# Altium PCB RELIA - Copy.PcbDoc (part 1 of 2)
Units mm, origin at the board's own origin, x right, y up, seen from the top; angles counter-clockwise.
Board outline 69.75 x 62.48 mm, 4 copper layers (Top Layer, GND, POWER, Bottom Layer), stack 0.603 mm thick; 143 components, 99 nets, 540 pads, 234 vias.
Unrouted connection lines stored in the file: 89.
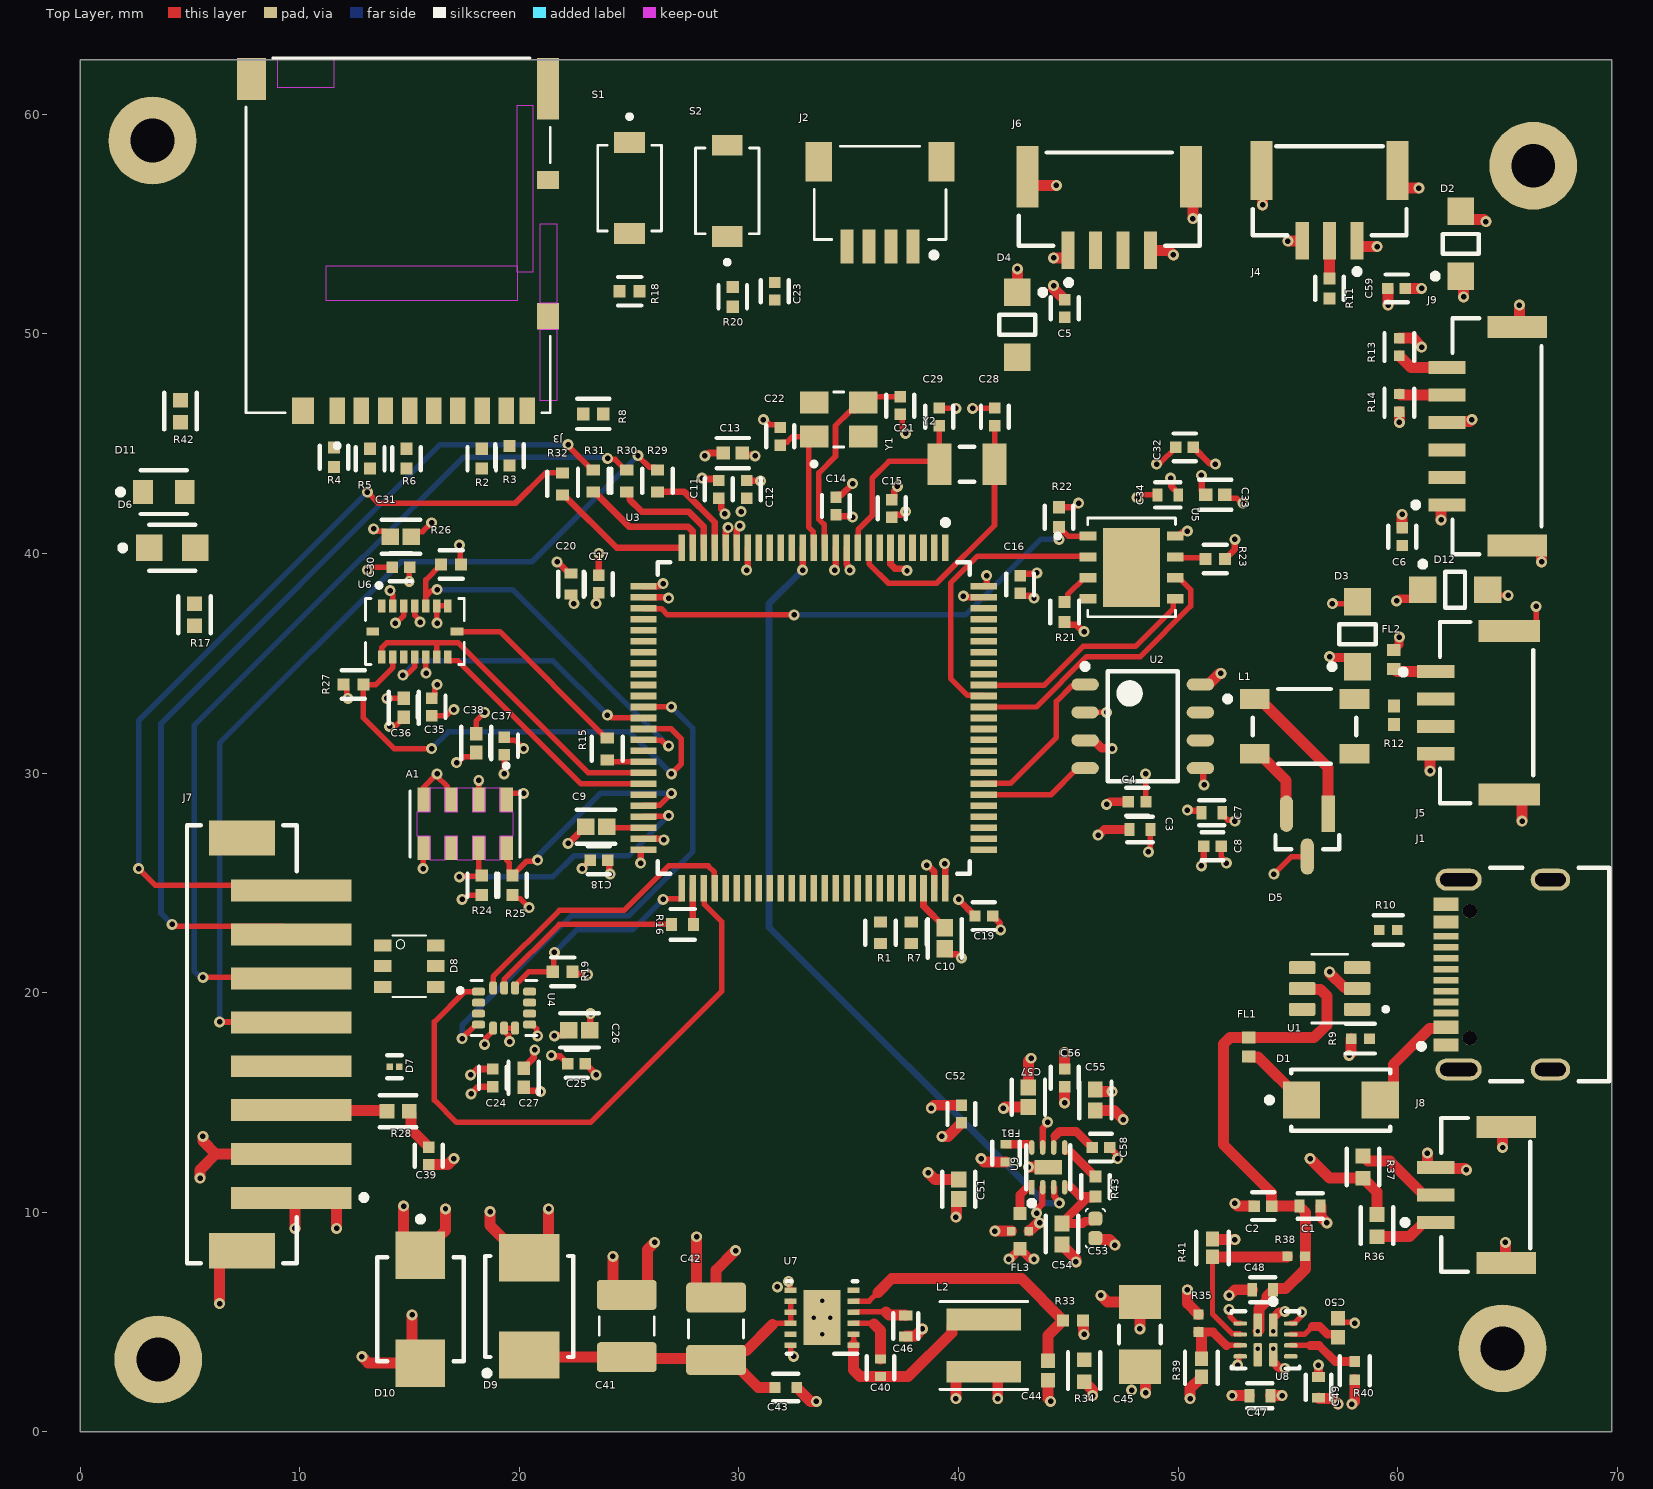
[diagram p0: Top Layer view]
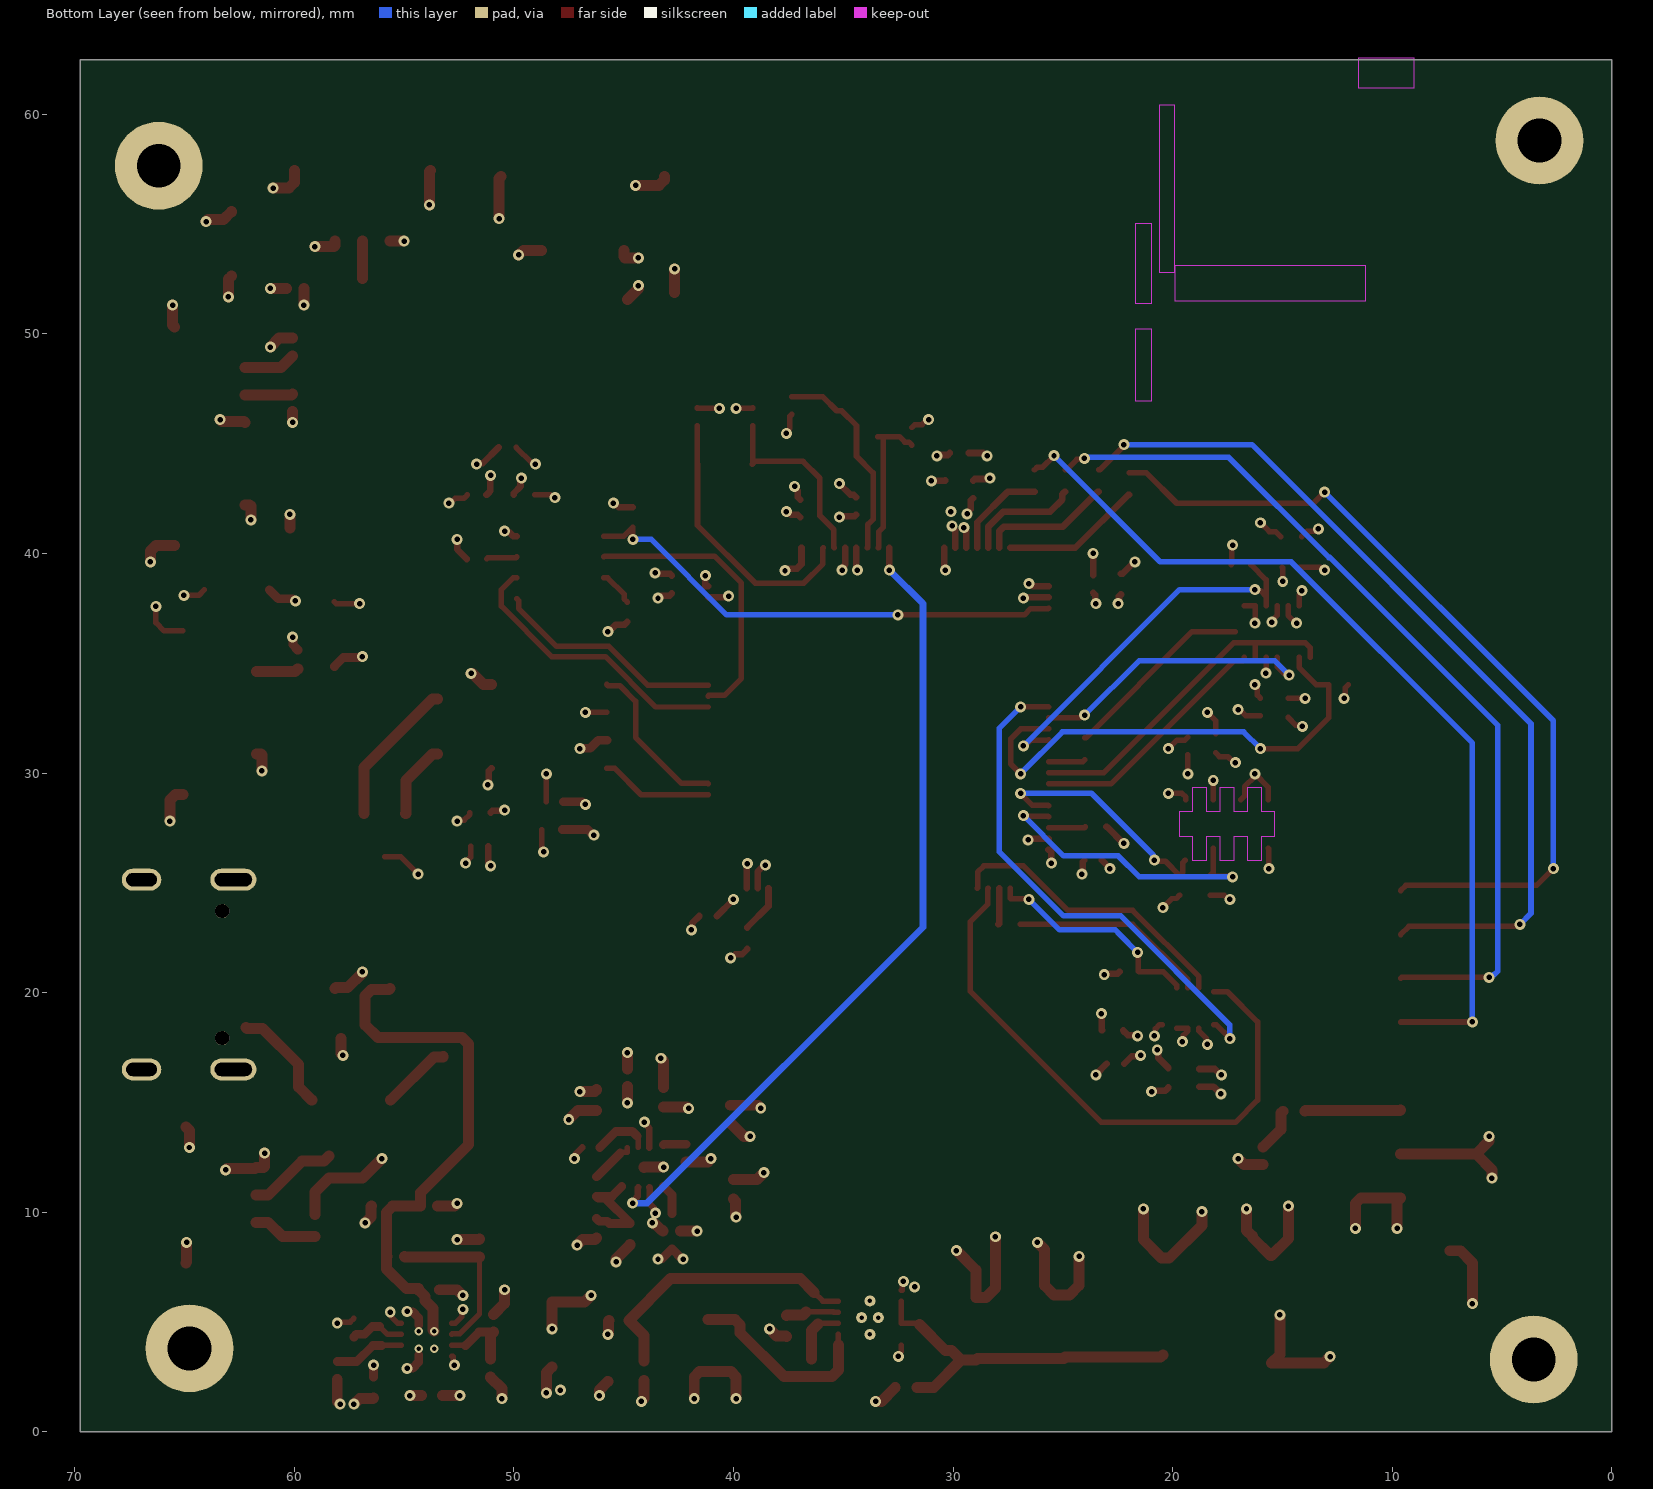
[diagram p1: Bottom Layer view, seen from below]
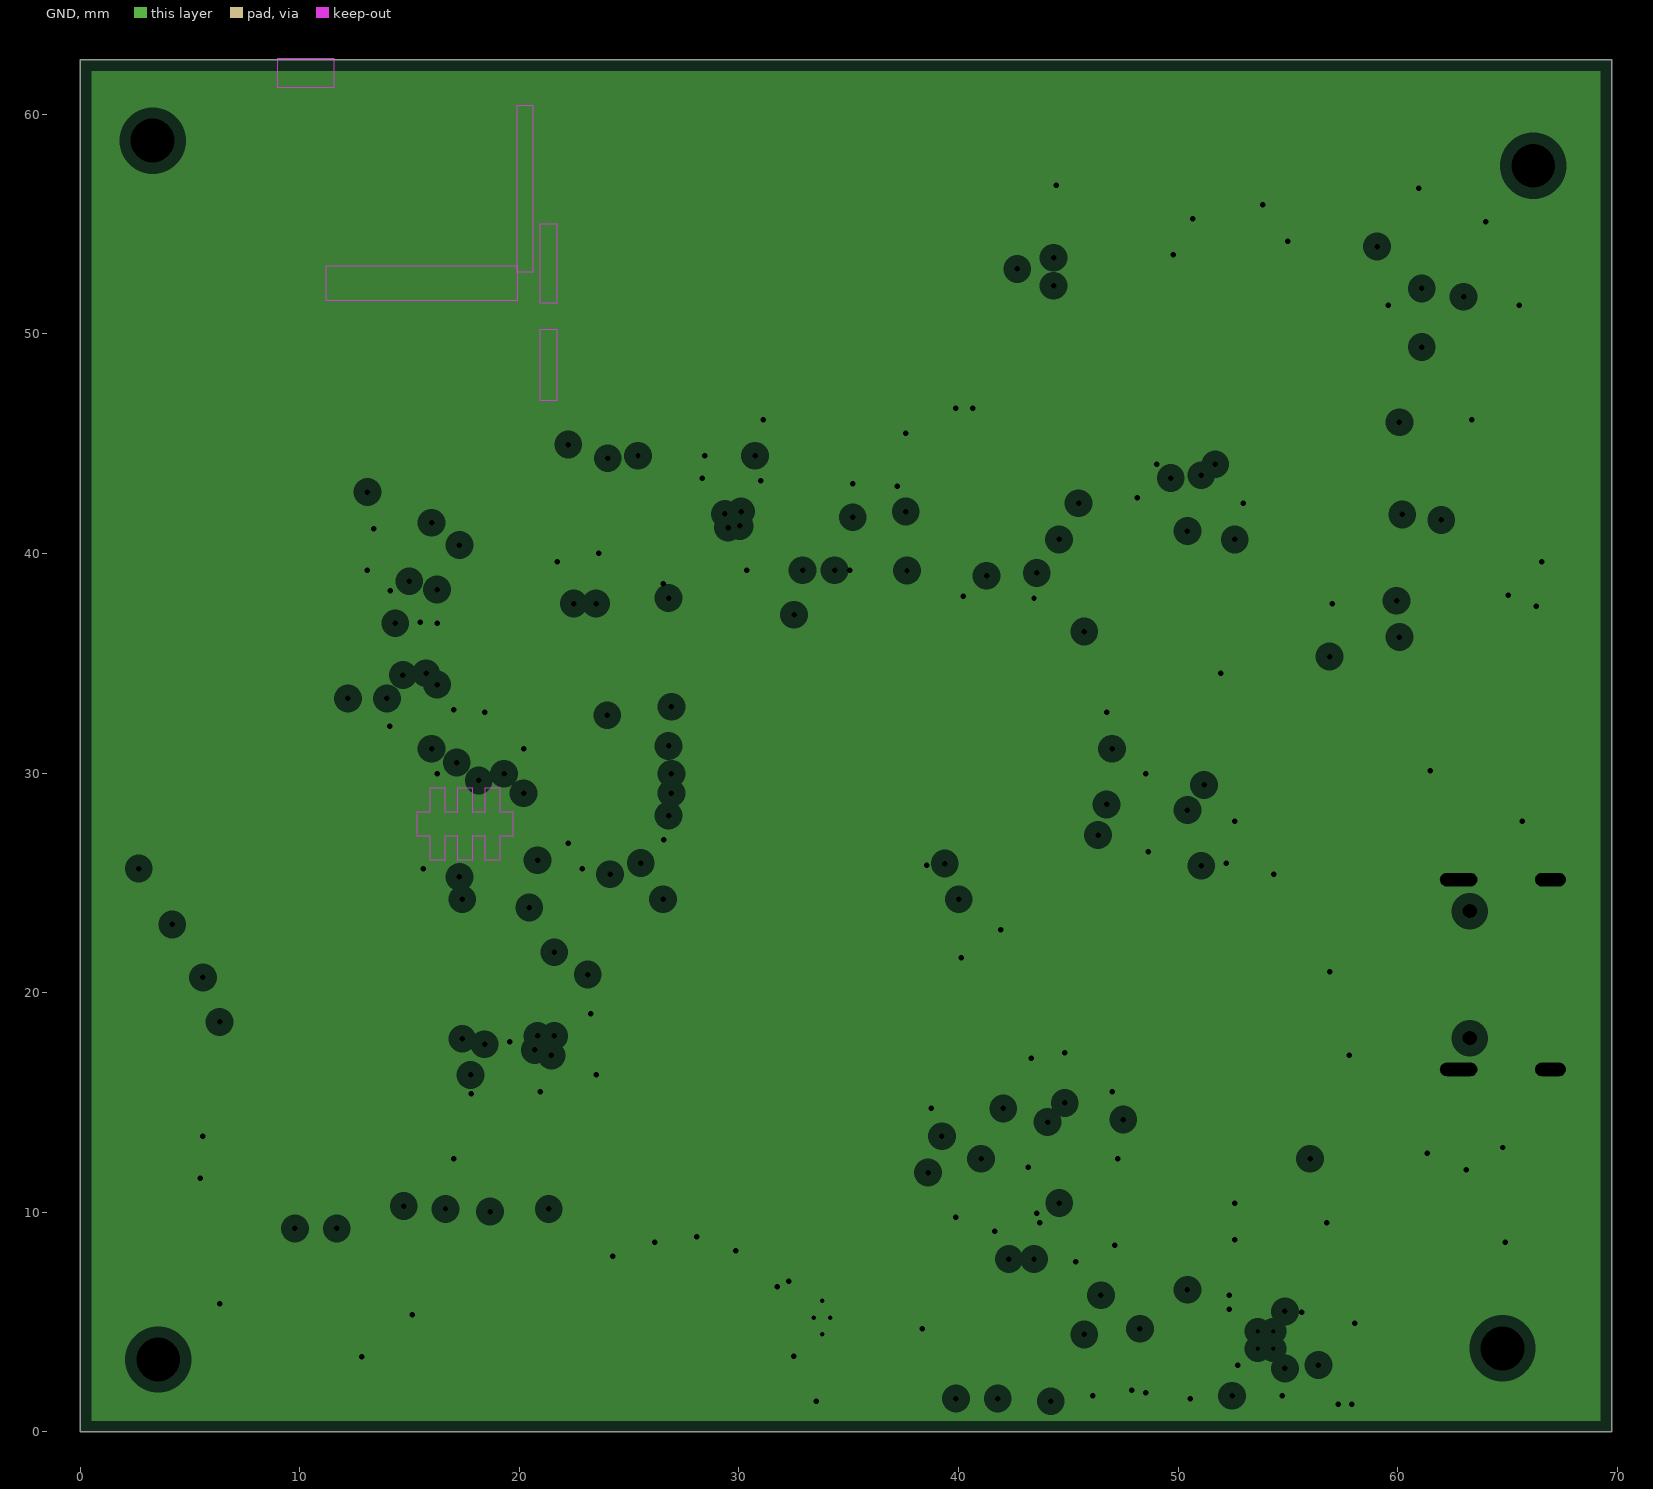
[diagram p2: GND, clearances drawn from the general rule]
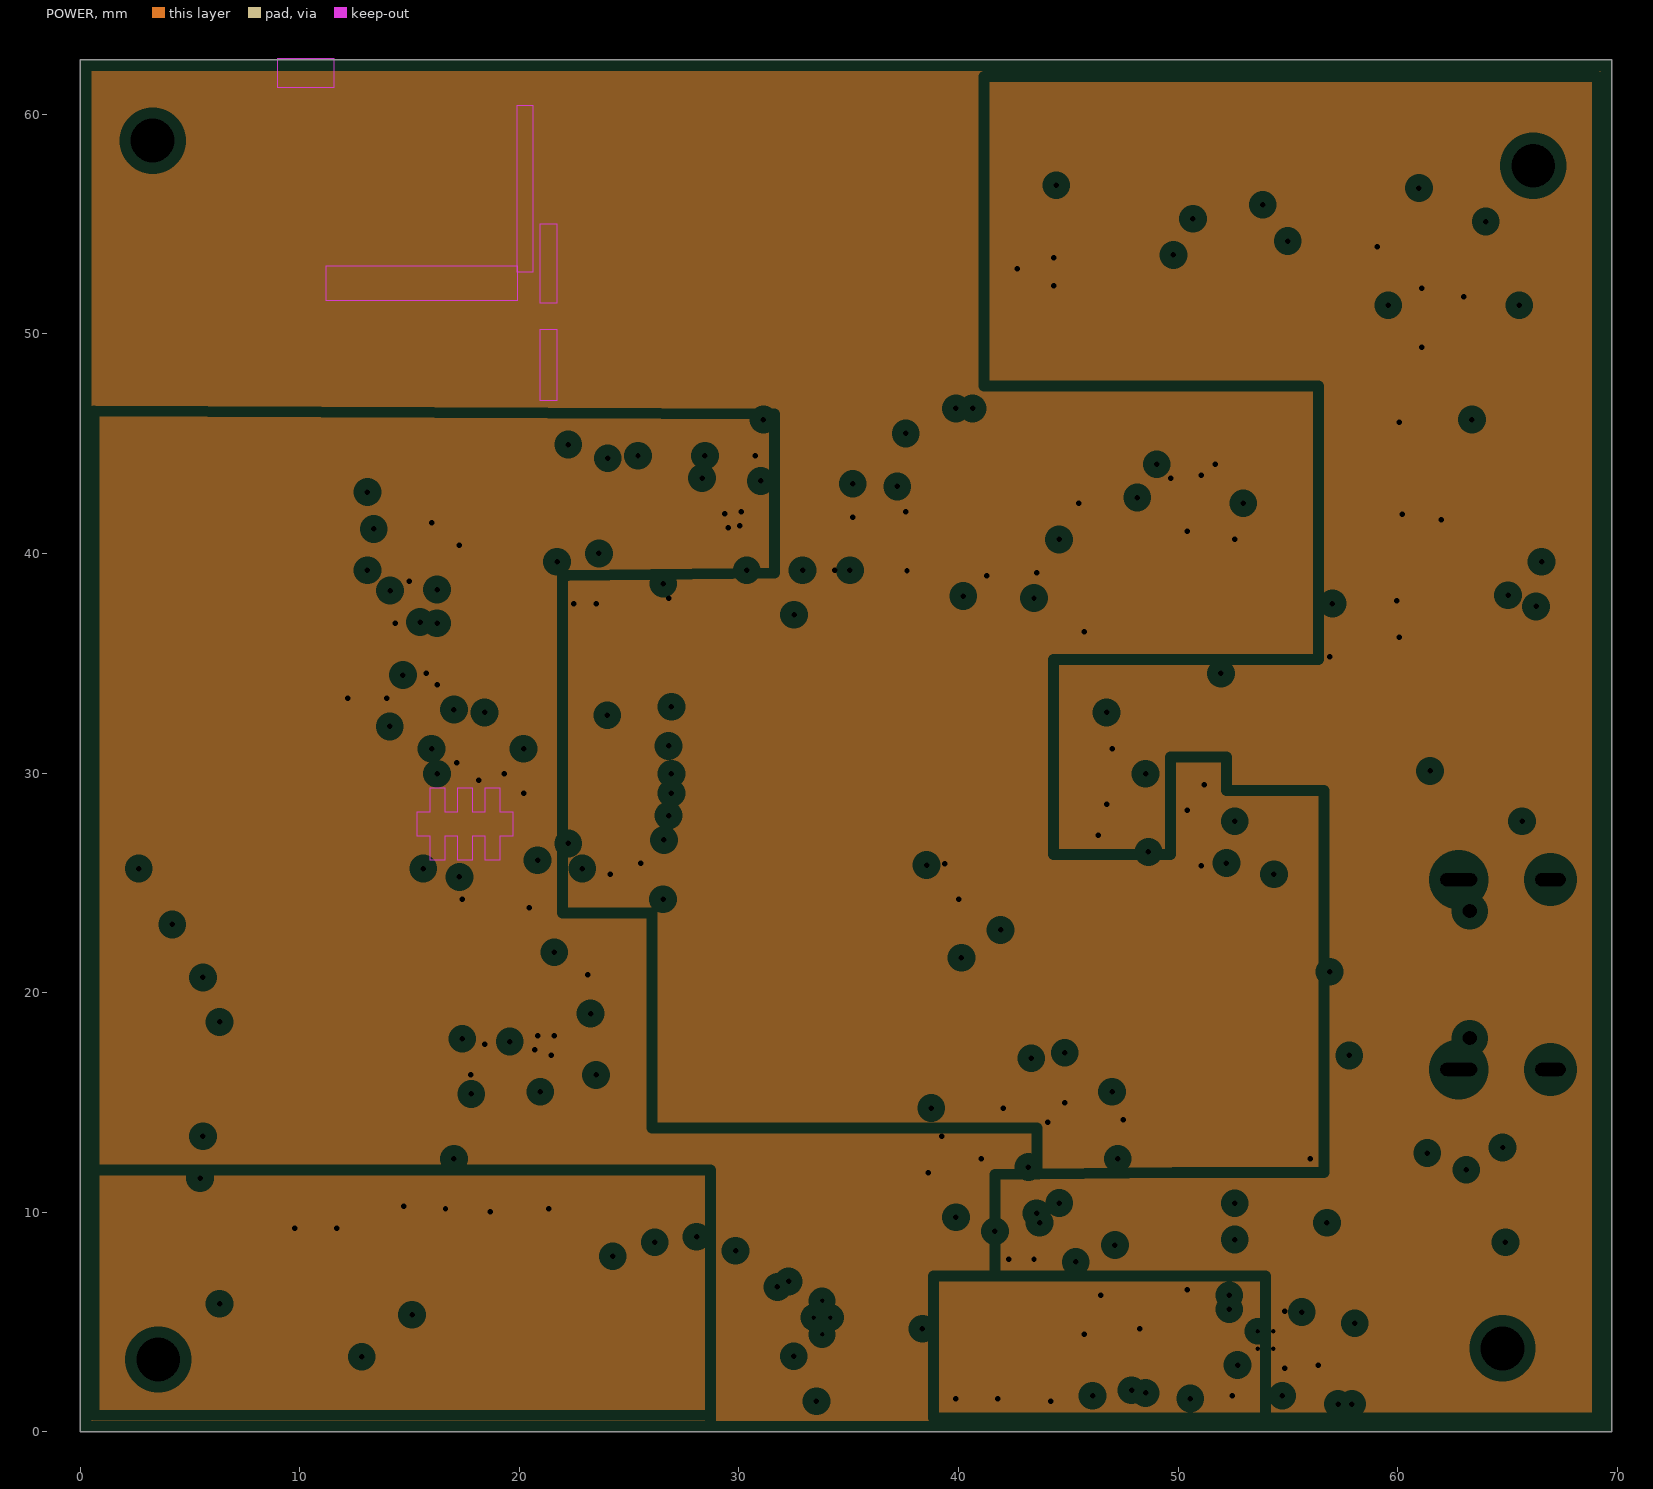
[diagram p3: POWER, clearances drawn from the general rule]

## Layer stack, top to bottom
Top Solder: solder mask 0.0102, Solder Resist, Dk 3.5
Top Layer: signal copper 0.0356
Dielectric 2: prepreg 0.0711, PP-006, Dk 4.1
GND: plane copper 0.035, net GND
Dielectric 1: dielectric 0.32, FR-4, Dk 4.8
POWER: plane copper 0.035, net (Multiple Nets)
Dielectric 3: prepreg 0.0711, PP-006, Dk 4.1
Bottom Layer: signal copper 0.0356
Bottom Solder: solder mask 0.0102, Solder Resist, Dk 3.5

## Board outline
0,0 69.747,0 69.747,62.484 0,62.484

## Design rules (kind name [scope] priority, off if disabled: settings)
Clearance [All] p1: gap=0.2 ignorepadtopadclearanceinfootprint=TRUE
DiffPairsRouting [All] p1: maxlimit=0.254 minlimit=0.1 mostfreqgap=0.1 toplayer_minwidth=0.25 toplayer_maxwidth=0.381 toplayer_prefwidth=0.25 bottomlayer_minwidth=0.25 bottomlayer_maxwidth=0.381 bottomlayer_prefwidth=0.25 maxuncoupledlength=12.7
HoleToHoleClearance [All] p1: gap=0.3 allowstackedmicrovias=TRUE
MinimumSolderMaskSliver [All] p1: minsoldermaskwidth=0.1
PlaneClearance [All] p1: clearance=0.508
PlaneConnect [All] p1: planeconnectstyle=Relief reliefexpansion=0.508 reliefentries=4 reliefconductorwidth=0.254 reliefairgap=0.254
PolygonConnect [All] p1: connectstyle=Relief reliefconductorwidth=0.254 reliefentries=4 polygonreliefangle="90 Angle" airgapwidth=0.254
RoutingVias [All] p1: holewidth=0.25 width=0.5 viastyle="Through Hole" minholewidth=0.25 minwidth=0.5 maxholewidth=0.25 maxwidth=0.5
SilkToSilkClearance [All] p1: silktosilkclearance=0.1
SilkToSolderMaskClearance [IsPad] p1: minsilkscreentomaskgap=0.1 clearancetoexposedcopper=TRUE
SolderMaskExpansion [All] p1: expansion=0.102 istentingtop=FALSE
SupplyNets "Schematic Supply Nets_8" [InNet('GND')] p1: voltage=0.000
SupplyNets "Schematic Supply Nets_7" [InNet('VDD_5V')] p2: voltage=0.000
SupplyNets "Schematic Supply Nets_5" [InNet('VBAT')] p3: voltage=0.000
SupplyNets "Schematic Supply Nets_4" [InNet('+3V3_ANALOG')] p4: voltage=0.000
SupplyNets "Schematic Supply Nets_3" [InNet('BEC_5V')] p5: voltage=0.000
SupplyNets "Schematic Supply Nets_2" [InNet('+3V3_MAIN')] p6: voltage=0.000
SupplyNets "Schematic Supply Nets_1" [InNet('NRST')] p7: voltage=0.000
SupplyNets "Schematic Supply Nets" [InNet('VBUS')] p8: voltage=0.000
Width [All] p1: maxlimit=0.5 minlimit=0.1 preferedwidth=0.25
23 further rules are at their usual default settings.

## Classes and differential pairs
component class Designator: C39 D7 D8 J7 R28 R29 R30 R31 R32
differential pair USB4: +USB4_P -USB4_N
differential pair USB: +USB_P -USB_N
differential pair USB1: +USB1_P -USB1_N
differential pair CAN: +CAN_P -CAN_N

## Components (designator, comment, footprint, x,y, rotation, side; value= is the part's Value field where it differs from the comment)
A1 "MS561101BA03-50" XDCR_MS561101BA03-50 17.526,27.686 r270 top
C1 "4.7uF" FP-GRT155-0_15-MFG 56.007,10.287 r0 top
C2 "0.1uF" FP-C0402-BB-MFG 53.867,10.287 r180 top value="0.10 μF"
C3 "4.7uF" FP-GRT155-0_15-MFG 48.26,27.432 r0 top
C4 "0.1uF" FP-C0402-BB-MFG 48.133,28.702 r0 top value="0.10 μF"
C5 "0.1uF" FP-C0402-BB-MFG 44.831,51.162 r270 top value="0.10 μF"
C6 "0.1uF" FP-C0402-BB-MFG 60.198,40.767 r270 top value="0.10 μF"
C7 "4.7uF" FP-GRT155-0_15-MFG 51.529,28.194 r0 top
C8 "0.1uF" FP-C0402-BB-MFG 51.562,26.67 r0 top value="0.10 μF"
C9 "2.2uF" FP-GRM155-0_15-IPC_A 23.495,27.559 r180 top
C10 "2.2uF" FP-GRM155-0_15-IPC_A 39.37,22.479 r270 top
C11 "0.1uF" FP-C0402-BB-MFG 29.083,42.926 r90 top value="0.10 μF"
C12 "0.1uF" FP-C0402-BB-MFG 30.353,42.926 r90 top value="0.10 μF"
C13 "1uF" FP-GRM155-0_05-IPC_B 29.718,44.577 r180 top
C14 "0.1uF" FP-C0402-BB-MFG 34.417,42.164 r90 top value="0.10 μF"
C15 "0.1uF" FP-C0402-BB-MFG 36.957,42.056 r90 top value="0.10 μF"
C16 "0.1uF" FP-C0402-BB-MFG 42.799,38.589 r270 top value="0.10 μF"
C17 "0.1uF" FP-C0402-BB-MFG 23.622,38.608 r90 top value="0.10 μF"
C18 "0.1uF" FP-C0402-BB-MFG 23.622,26.035 r180 top value="0.10 μF"
C19 "0.1uF" FP-C0402-BB-MFG 41.148,23.495 r0 top value="0.10 μF"
C20 "4.7uF" FP-GRT155-0_15-MFG 22.352,38.608 r90 top
C21 "18pF" FP-C0402-BB-MFG 37.338,46.736 r90 top value="18 pF"
C22 "18pF" FP-C0402-BB-MFG 31.877,45.339 r270 top value="18 pF"
C23 "100nF" FP-C0402-BB-MFG 31.623,51.943 r270 top value="0.10 μF"
C24 "0.1uF" FP-C0402-BB-MFG 18.796,16.129 r270 top value="0.10 μF"
C25 "0.1uF" FP-C0402-BB-MFG 22.606,16.764 r0 top value="0.10 μF"
C26 "2.2uF" FP-GRM155-0_15-IPC_A 22.733,18.288 r0 top
C27 "1uF" FP-GRM155-0_05-IPC_B 20.193,16.129 r270 top
C28 "12pF" FP-C0402-BB-MFG 41.656,46.228 r270 top value="12 pF"
C29 "12pF" FP-C0402-BB-MFG 39.116,46.228 r270 top value="12 pF"
C30 "0.1uF" FP-C0402-BB-MFG 14.605,39.37 r180 top value="0.10 μF"
C31 "2.2uF" FP-GRM155-0_15-IPC_A 14.605,40.767 r180 top
C32 "0.1uF" FP-C0402-BB-MFG 50.292,44.831 r180 top value="0.10 μF"
C33 "1uF" FP-GRM155-0_05-IPC_B 51.689,42.672 r0 top
C34 "4.7uF" FP-GRT155-0_15-MFG 49.53,42.672 r180 top
C35 "0.1uF" FP-C0402-BB-MFG 16.002,33.02 r270 top value="0.10 μF"
C36 "1uF" FP-GRM155-0_05-IPC_B 14.732,32.972 r270 top
C37 "0.1uF" FP-C0402-BB-MFG 19.304,31.242 r90 top value="0.10 μF"
C38 "1uF" FP-GRM155-0_05-IPC_B 18.034,31.369 r90 top
C39 "0.1uF" FP-C0402-BB-MFG 15.875,12.573 r270 top value="0.10 μF"
C40 "100nF" FP-GRM15-MFG 36.449,2.921 r90 top value=0.10μF
C41 "4.7uF" CAPC3225X270N 24.892,4.826 r270 top
C42 "4.7uF" CAPC3225X270N 28.956,4.699 r270 top
C43 "100nF" FP-CS0402-CA-MFG 32.131,2.032 r0 top
C44 "47pF" CAPC1005X55X25NL05T10 44.069,2.794 r270 top
C45 "47uF" FP-GRM31C-0_2-e0_3_0_8-IPC_A 48.26,4.445 r270 top
C46 "4.7uF" FP-GRT155-0_15-MFG 37.592,4.826 r90 top
C47 "4.7uF" FP-GRT155-0_15-MFG 53.721,1.651 r0 top
C48 "4.7uF" FP-GRT155-0_15-MFG 53.848,6.477 r180 top
C49 "4.7uF" FP-GRT155-0_15-MFG 56.388,2.032 r90 top
C50 "10nF" CAPC1005X60X30NL05T10 57.277,4.748 r270 top
C51 "2.2uF" FP-GRM155-0_2-IPC_B 40.005,11.049 r270 top
C52 "0.1uF" FP-C0402-BB-MFG 40.132,14.478 r90 top value="0.10 μF"
C53 "10uF" C0402 46.228,9.271 r180 top
C54 "1uF" FP-GRM155-0_1-IPC_A 44.704,9.017 r270 top
C55 "1uF" FP-GRM155-0_1-IPC_A 46.228,15.113 r90 top
C56 "0.1uF" FP-C0402-BB-MFG 44.831,16.129 r90 top value="0.10 μF"
C57 "2.2uF" FP-GRM155-0_2-IPC_B 43.18,15.24 r90 top
C58 "0.1uF" FP-C0402-BB-MFG 46.482,12.954 r0 top value="0.10 μF"
C59 "0.1uF" FP-C0402-BB-MFG 59.944,52.07 r180 top value="0.10 μF"
D1 "SSA34HE3_A/I" FP-95400-MFG 57.404,15.113 r0 top
D2 "SMF5.0AT1G" ONSC-SOD-123FL-2-498_V 62.865,54.102 r90 top
D3 "SMF5.0AT1G" ONSC-SOD-123FL-2-498_V 58.166,36.322 r90 top
D4 "SMF5.0AT1G" ONSC-SOD-123FL-2-498_V 42.672,50.419 r270 top
D5 "PESD2CANFD24V-TR" FP-SOT23-IPC_A 55.88,27.178 r270 top
D6 "LED GREEN" FP-LTST-C171GKT-MFG 4.191,40.259 r0 top
D7 "esd diode" FP-152AF-MFG 14.312,16.637 r0 top
D8 "PESD5V0S4UD" SOT457 14.986,21.209 r270 top
D9 "MBRS360BT3G" ONSC-SMB-2-403A-03_H_V 20.447,5.715 r90 top
D10 "SMBJ26A" FP-SMBJ-MFG 15.494,5.588 r270 top
D11 "LED RED" FP-SML-LXT0805IW-TR-MFG 3.81,42.799 r0 top
D12 "SMF5.0AT1G" ONSC-SOD-123FL-2-498_V 62.611,38.354 r0 top
FB1 "600 Ohm" FP-BLM15-0_05-MFG 42.164,12.7 r270 top
FL1 "Ferrite bead" BEADC1005X55N 53.213,17.526 r90 top
FL2 "Ferrite Bead" BEADC1005X55N 59.817,35.179 r90 top
FL3 "KNH16C104DA5TS" FIL_KNH16C104DA5TS 42.799,9.144 r90 top
J1 "USB4105-GF-A" FP-USB4105-GF-A-MFG 65.786,20.828 r90 top
J2 "SM04B-SRSS-TB(LF)(SN)" JST_SM04B-SRSS-TB(LF)(SN) 36.425,53.975 r180 top
J3 "DM3AT-SF-PEJM5" HRS_DM3AT-SF-PEJM5 14.478,54.483 r180 top
J4 "SM03B-GHS-TB(LF)(SN)" FP-SM03B-GHS-TB_LF_SN-MFG 56.896,56.515 r180 top
J5 "BM04B-GHS-TBT(LF)(SN)" FP-BM04B-GHS-TBT_LF_SN-MFG 64.047,32.756 r90 top
J6 "BM04B-GHS-TBT(LF)(SN)" FP-BM04B-GHS-TBT_LF_SN-MFG 46.863,56.134 r180 top
J7 "B8B-PH-SM4-TB(LF)(SN)" FP-B8B-PH-SM4-TB_LF_SN-MFG 7.366,17.653 r90 top
J8 "SM03B-GHS-TB(LF)(SN)" FP-SM03B-GHS-TB_LF_SN-MFG 64.008,10.795 r90 top
J9 "SM06B-GHS-TB(LF)(SN)" FP-SM06B-GHS-TB_LF_SN-MFG 64.516,45.339 r90 top
L1 "Common Choke" TDK-ACT45B-510-2P-TL003-4_V 55.753,32.131 r0 top
L2 "3.3uH" IND_XAL4030-332MEB 41.148,3.937 r270 top
R1 "22Ω" FP-RMCF0402-MFG 36.449,22.733 r90 top
R2 "10K" FP-MCS0402-MFG 18.288,44.323 r90 top
R3 "10K" FP-MCS0402-MFG 19.558,44.45 r90 top
R4 "10K" FP-MCS0402-MFG 11.557,44.381 r90 top
R5 "10K" FP-MCS0402-MFG 13.208,44.323 r90 top
R6 "10K" FP-MCS0402-MFG 14.859,44.323 r90 top
R7 "22Ω" FP-RMCF0402-MFG 37.846,22.733 r90 top
R8 "47K" FP-CRCW0402-e3-IPC_B 23.368,46.355 r0 top
R9 "5.1k" FP-RN73R1E-IPC_C 58.293,17.907 r180 top
R10 "5.1k" FP-RN73R1E-IPC_C 59.563,22.86 r180 top
R11 "10K" FP-MCS0402-MFG 56.896,52.07 r90 top
R12 "120 Ohm" RESC1005X40X25NL05T10 59.817,32.639 r90 top
R13 "4.7K" FP-CRCW0402-Pe3-IPC_C 60.071,49.403 r270 top
R14 "4.7K" FP-CRCW0402-Pe3-IPC_C 60.071,46.863 r90 top
R15 "22 Ω" FP-RMCF0402-MFG 24.003,31.107 r90 top
R16 "22 Ω" FP-RMCF0402-MFG 27.432,23.114 r180 top
R17 "1k" FP-MCS0402-IPC_A 5.207,37.211 r270 top
R18 "10K" FP-MCS0402-MFG 25.019,51.943 r180 top
R19 "10K" FP-MCS0402-MFG 21.971,20.955 r0 top
R20 "10K" FP-MCS0402-MFG 29.718,51.689 r90 top
R21 "10K" FP-MCS0402-MFG 44.831,37.338 r270 top
R22 "10K" FP-MCS0402-MFG 44.577,41.656 r90 top
R23 "10K" FP-MCS0402-MFG 51.689,39.751 r0 top
R24 "10K" FP-MCS0402-MFG 18.288,24.892 r90 top
R25 "10K" FP-MCS0402-MFG 19.685,24.892 r90 top
R26 "10K" FP-MCS0402-MFG 16.891,39.497 r0 top